# Altium PCB Main_PCB.PcbDoc (part 9 of 13) (continued)
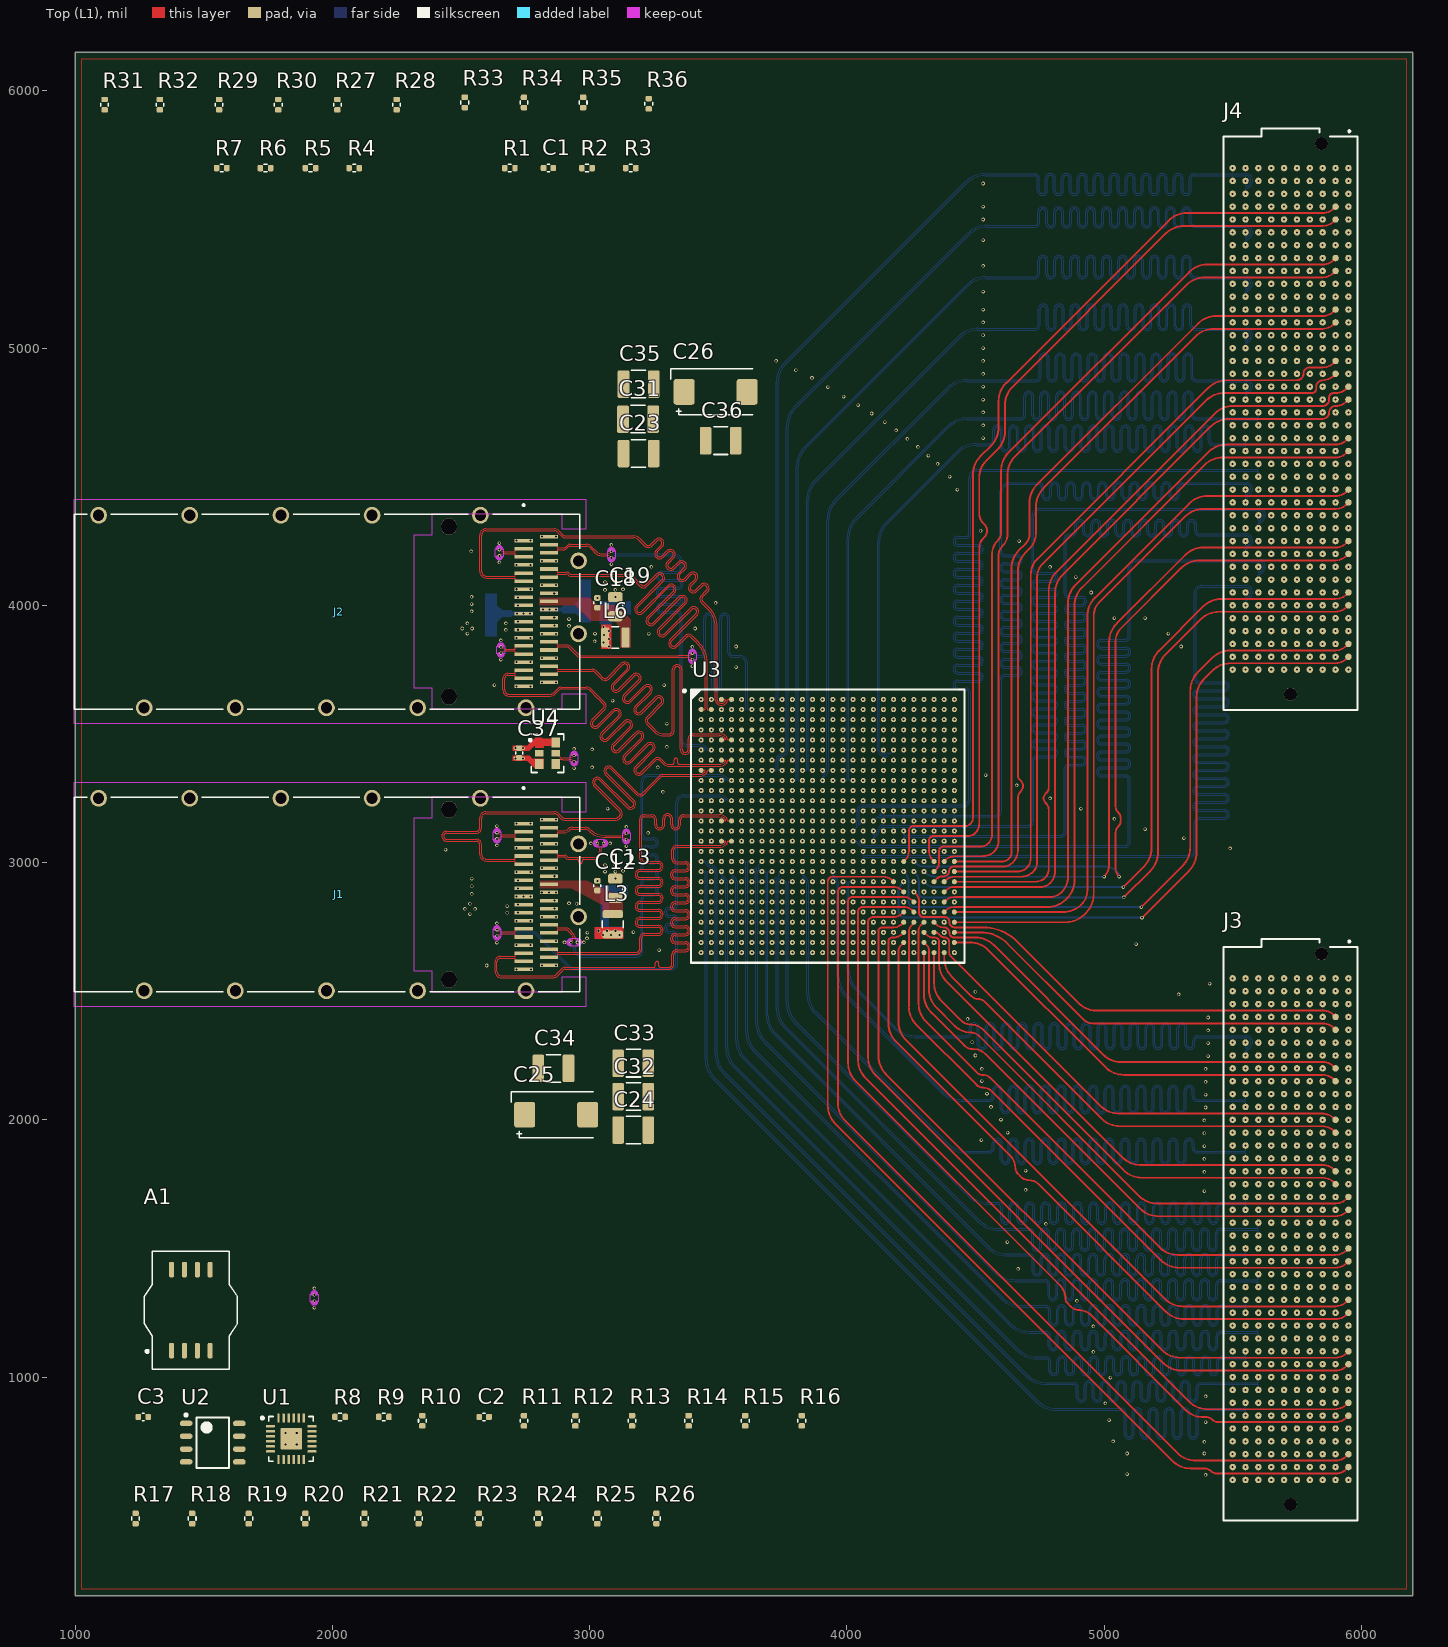
[diagram p0: Top (L1) view]
## Nets (pads, with @x,y where several pads share a name; then routed paths per layer and width w, separated by ;. In a path a pad name is that pad's centre, name@x,y a point inside that pad or via, vN(x,y) a via of type N, cw(c..) or ccw(c..) an arc to the next point about the centre after c; other vN are vias at no path point) (continued)
HPCC_B_32_P: J4.E30 U3.M21 | length 3860.8
  Int7 (L8) w3.5: v1(4221.26,3201.18) 4233.69,3201.18 ccw(c4233.69,3204.68) 4236.17,3202.21 ccw(c4233.69,3204.68) 4237.19,3204.68 cw(c4248.1,3204.72) 4240.39,3212.43 4240.43,3212.47 cw(c4269.46,3183.44) 4269.46,3224.5 4435,3224.5 cw(c4438.14,3221.36) 4438.14,3225.8 4829.86,3225.8 ccw(c4829.86,3240.14) 4840,3230 ccw(c4827.93,3242.07) 4845,3242.07 4845,3490 4845,3496.15 ccw(c4833.25,3496.15) 4833.25,3507.9 4787.32,3507.9 cw(c4787.32,3528.45) 4787.32,3549 4834.93,3549 ccw(c4834.93,3560.75) 4834.93,3572.5 4787.32,3572.5 cw(c4787.32,3593.05) 4787.32,3613.6 4834.93,3613.6 ccw(c4834.93,3625.35) 4834.93,3637.1 4787.32,3637.1 cw(c4787.32,3657.65) 4787.32,3678.2 4834.93,3678.2 ccw(c4834.93,3689.95) 4834.93,3701.7 4787.32,3701.7 cw(c4787.32,3722.25) 4787.32,3742.8 4834.93,3742.8 ccw(c4834.93,3754.55) 4834.93,3766.3 4787.32,3766.3 cw(c4787.32,3786.85) 4787.32,3807.4 4834.93,3807.4 ccw(c4834.93,3819.15) 4834.93,3830.9 4787.32,3830.9 cw(c4787.32,3851.45) 4787.32,3872 4834.93,3872 ccw(c4834.93,3883.75) 4834.93,3895.5 4787.32,3895.5 cw(c4787.32,3916.05) 4787.32,3936.6 4834.93,3936.6 ccw(c4834.93,3948.35) 4834.93,3960.1 4787.32,3960.1 cw(c4787.32,3980.65) 4787.32,4001.2 4834.93,4001.2 ccw(c4834.93,4012.95) 4834.93,4024.7 4787.32,4024.7 cw(c4787.32,4045.25) 4787.32,4065.8 4834.93,4065.8 ccw(c4834.93,4077.55) 4834.93,4089.3 4787.32,4089.3 cw(c4787.32,4109.85) 4787.32,4130.4 4833.25,4130.4 ccw(c4833.25,4142.15) 4845,4142.15 4845,4170 4845,4200.03 cw(c4874.97,4200.03) 4853.78,4221.22 cw(c4873.52,4201.48) 4873.52,4229.4 5746.5,4229.4 ccw(c5746.5,4232.9) 5748.97,4230.43 ccw(c5746.5,4232.9) 5750,4232.9 v1(5750,4250)
HPCC_B_33_N: J4.E35 U3.N24 | length 3875.5
  Int7 (L8) w3.5: v1(4339.37,3161.81) 4339.37,3149.38 ccw(c4342.87,3149.38) 4340.4,3146.9 ccw(c4342.87,3149.38) 4342.87,3145.88 5080.04,3145.88 ccw(c5080.04,3159.96) 5090,3150 ccw(c5077.93,3162.07) 5095,3162.07 5095,3226.1 5095,3232.25 ccw(c5083.25,3232.25) 5083.25,3244 5032.25,3244 cw(c5032.25,3264.55) 5032.25,3285.1 5085.28,3285.1 ccw(c5085.28,3296.85) 5085.28,3308.6 5032.25,3308.6 cw(c5032.25,3329.15) 5032.25,3349.7 5085.28,3349.7 ccw(c5085.28,3361.45) 5085.28,3373.2 5032.25,3373.2 cw(c5032.25,3393.75) 5032.25,3414.3 5085.28,3414.3 ccw(c5085.28,3426.05) 5085.28,3437.8 5032.25,3437.8 cw(c5032.25,3458.35) 5032.25,3478.9 5085.28,3478.9 ccw(c5085.28,3490.65) 5085.28,3502.4 5032.25,3502.4 cw(c5032.25,3522.95) 5032.25,3543.5 5085.28,3543.5 ccw(c5085.28,3555.25) 5085.28,3567 5032.25,3567 cw(c5032.25,3587.55) 5032.25,3608.1 5085.28,3608.1 ccw(c5085.28,3619.85) 5085.28,3631.6 5032.25,3631.6 cw(c5032.25,3652.15) 5032.25,3672.7 5085.28,3672.7 ccw(c5085.28,3684.45) 5085.28,3696.2 5032.25,3696.2 cw(c5032.25,3716.75) 5032.25,3737.3 5085.28,3737.3 ccw(c5085.28,3749.05) 5085.28,3760.8 5032.25,3760.8 cw(c5032.25,3781.35) 5032.25,3801.9 5085.28,3801.9 ccw(c5085.28,3813.65) 5085.28,3825.4 5032.25,3825.4 cw(c5032.25,3845.95) 5032.25,3866.5 5083.25,3866.5 ccw(c5083.25,3878.25) 5095,3878.25 5095,3922.55 5095,4050.03 cw(c5124.97,4050.03) 5103.78,4071.22 cw(c5122.07,4052.93) 5122.07,4078.8 5752.93,4078.8 cw(c5752.93,4052.93) 5771.22,4071.22 cw(c5752.93,4052.93) 5778.8,4052.93 5778.8,4050 cw(c5754.66,4050) 5771.73,4032.93 5763.56,4024.76 cw(c5753.5,4034.84) 5753.5,4020.6 ccw(c5753.5,4017.1) 5751.03,4019.57 ccw(c5753.5,4017.1) 5750,4017.1 v1(5750,4000)
HPCC_B_33_P: J4.E34 U3.P24 | length 3848.2
  Int7 (L8) w3.5: v1(4339.37,3122.44) 4339.37,3134.88 cw(c4342.87,3134.88) 4340.4,3137.35 cw(c4342.87,3134.88) 4342.87,3138.38 4435,3138.38 ccw(c4438.14,3141.51) 4438.14,3137.08 5080.04,3137.08 ccw(c5080.04,3159.96) 5096.22,3143.78 ccw(c5077.93,3162.07) 5103.8,3162.07 5103.8,3226.1 5103.8,3232.25 ccw(c5083.25,3232.25) 5083.25,3252.8 5032.25,3252.8 cw(c5032.25,3264.55) 5032.25,3276.3 5085.28,3276.3 ccw(c5085.28,3296.85) 5085.28,3317.4 5032.25,3317.4 cw(c5032.25,3329.15) 5032.25,3340.9 5085.28,3340.9 ccw(c5085.28,3361.45) 5085.28,3382 5032.25,3382 cw(c5032.25,3393.75) 5032.25,3405.5 5085.28,3405.5 ccw(c5085.28,3426.05) 5085.28,3446.6 5032.25,3446.6 cw(c5032.25,3458.35) 5032.25,3470.1 5085.28,3470.1 ccw(c5085.28,3490.65) 5085.28,3511.2 5032.25,3511.2 cw(c5032.25,3522.95) 5032.25,3534.7 5085.28,3534.7 ccw(c5085.28,3555.25) 5085.28,3575.8 5032.25,3575.8 cw(c5032.25,3587.55) 5032.25,3599.3 5085.28,3599.3 ccw(c5085.28,3619.85) 5085.28,3640.4 5032.25,3640.4 cw(c5032.25,3652.15) 5032.25,3663.9 5085.28,3663.9 ccw(c5085.28,3684.45) 5085.28,3705 5032.25,3705 cw(c5032.25,3716.75) 5032.25,3728.5 5085.28,3728.5 ccw(c5085.28,3749.05) 5085.28,3769.6 5032.25,3769.6 cw(c5032.25,3781.35) 5032.25,3793.1 5085.28,3793.1 ccw(c5085.28,3813.65) 5085.28,3834.2 5032.25,3834.2 cw(c5032.25,3845.95) 5032.25,3857.7 5083.25,3857.7 ccw(c5083.25,3878.25) 5103.8,3878.25 5103.8,3922.55 5103.8,4050.03 cw(c5124.97,4050.03) 5110,4065 cw(c5122.07,4052.93) 5122.07,4070 5752.93,4070 cw(c5752.93,4052.93) 5765,4065 cw(c5752.93,4052.93) 5770,4052.93 5770,4050 cw(c5754.66,4050) 5765.51,4039.15 5757.34,4030.99 cw(c5753.5,4034.84) 5753.5,4029.4 cw(c5753.5,4032.9) 5751.03,4030.43 cw(c5753.5,4032.9) 5750,4032.9 v1(5750,4050)
HPCC_B_34_N: J4.E39 U3.P26 | length 3993.3
  Int2 (L3) w3.5: v1(4418.11,3122.44) 4418.11,3110.01 ccw(c4421.61,3110.01) 4419.14,3107.53 ccw(c4421.61,3110.01) 4421.61,3106.51 5251.56,3106.51 ccw(c5251.56,3118.44) 5260,3110 5261.46,3111.46 ccw(c5252.93,3120) 5265,3120 5265,3293 5265,3299.15 ccw(c5253.25,3299.15) 5253.25,3310.9 5210.67,3310.9 cw(c5210.67,3331.45) 5210.67,3352 5320.5,3352 ccw(c5320.5,3363.75) 5320.5,3375.5 5210.67,3375.5 cw(c5210.67,3396.05) 5210.67,3416.6 5320.5,3416.6 ccw(c5320.5,3428.35) 5320.5,3440.1 5210.67,3440.1 cw(c5210.67,3460.65) 5210.67,3481.2 5320.5,3481.2 ccw(c5320.5,3492.95) 5320.5,3504.7 5210.67,3504.7 cw(c5210.67,3525.25) 5210.67,3545.8 5320.5,3545.8 ccw(c5320.5,3557.55) 5320.5,3569.3 5210.67,3569.3 cw(c5210.67,3589.85) 5210.67,3610.4 5320.5,3610.4 ccw(c5320.5,3622.15) 5320.5,3633.9 5210.67,3633.9 cw(c5210.67,3654.45) 5210.67,3675 5320.5,3675 ccw(c5320.5,3686.75) 5320.5,3698.5 5210.67,3698.5 cw(c5210.67,3719.05) 5210.67,3739.6 5320.5,3739.6 ccw(c5320.5,3751.35) 5320.5,3763.1 5285.55,3763.1 cw(c5285.55,3783.65) 5265,3783.65 5265,3828 5265,3850.03 cw(c5294.97,3850.03) 5273.78,3871.22 cw(c5292.07,3852.93) 5292.07,3878.8 5752.93,3878.8 cw(c5752.93,3852.93) 5771.22,3871.22 cw(c5752.93,3852.93) 5778.8,3852.93 5778.8,3850 cw(c5754.66,3850) 5771.73,3832.93 5763.56,3824.76 cw(c5753.5,3834.84) 5753.5,3820.6 ccw(c5753.5,3817.1) 5751.03,3819.57 ccw(c5753.5,3817.1) 5750,3817.1 v1(5750,3800)
HPCC_B_34_P: J4.E38 U3.R26 | length 3966
  Int2 (L3) w3.5: v1(4418.11,3083.07) 4418.11,3095.51 cw(c4421.61,3095.51) 4419.14,3097.98 cw(c4421.61,3095.51) 4421.61,3099.01 4435,3099.01 ccw(c4438.14,3102.14) 4438.14,3097.71 5251.56,3097.71 ccw(c5251.56,3118.44) 5266.22,3103.78 5267.69,3105.24 ccw(c5252.93,3120) 5273.8,3120 5273.8,3293 5273.8,3299.15 ccw(c5253.25,3299.15) 5253.25,3319.7 5210.67,3319.7 cw(c5210.67,3331.45) 5210.67,3343.2 5320.5,3343.2 ccw(c5320.5,3363.75) 5320.5,3384.3 5210.67,3384.3 cw(c5210.67,3396.05) 5210.67,3407.8 5320.5,3407.8 ccw(c5320.5,3428.35) 5320.5,3448.9 5210.67,3448.9 cw(c5210.67,3460.65) 5210.67,3472.4 5320.5,3472.4 ccw(c5320.5,3492.95) 5320.5,3513.5 5210.67,3513.5 cw(c5210.67,3525.25) 5210.67,3537 5320.5,3537 ccw(c5320.5,3557.55) 5320.5,3578.1 5210.67,3578.1 cw(c5210.67,3589.85) 5210.67,3601.6 5320.5,3601.6 ccw(c5320.5,3622.15) 5320.5,3642.7 5210.67,3642.7 cw(c5210.67,3654.45) 5210.67,3666.2 5320.5,3666.2 ccw(c5320.5,3686.75) 5320.5,3707.3 5210.67,3707.3 cw(c5210.67,3719.05) 5210.67,3730.8 5320.5,3730.8 ccw(c5320.5,3751.35) 5320.5,3771.9 5285.55,3771.9 cw(c5285.55,3783.65) 5273.8,3783.65 5273.8,3828 5273.8,3850.03 cw(c5294.97,3850.03) 5280,3865 cw(c5292.07,3852.93) 5292.07,3870 5752.93,3870 cw(c5752.93,3852.93) 5765,3865 cw(c5752.93,3852.93) 5770,3852.93 5770,3850 cw(c5754.66,3850) 5765.51,3839.15 5757.34,3830.99 cw(c5753.5,3834.84) 5753.5,3829.4 cw(c5753.5,3832.9) 5751.03,3830.43 cw(c5753.5,3832.9) 5750,3832.9 v1(5750,3850)
HPCC_B_35_N: J4.F5 U3.D11 | length 3834.4
  Int7 (L8) w3.5: 3811.95,3553.9 cw(c3801,3552.9) 3812,3552.95 3812,3524.37 ccw(c3844.72,3524.37) 3821.58,3501.23 ccw(c3824.06,3503.71) 3824.06,3500.21 ccw(c3824.06,3503.71) 3826.53,3501.23 ccw(c3824.06,3503.71) 3827.56,3503.71 v1(3827.56,3516.14) ; 3811.95,3553.94 cw(c3827.56,3555.51) 3811.87,3555.51 3811.87,3634.25 cw(c3827.56,3634.25) 3811.95,3635.82 ccw(c3801,3636.86) 3812,3636.81 3812,4835.58 cw(c3912,4835.58) 3841.29,4906.29 4426.31,5491.31 cw(c4497.02,5420.6) 4497.02,5520.6 4923.19,5520.6 4929.34,5520.6 ccw(c4929.34,5541.15) 4949.89,5541.15 4949.89,5549.65 cw(c4961.64,5549.65) 4973.39,5549.65 4973.39,5541.04 ccw(c4993.94,5541.04) 5014.49,5541.04 5014.49,5549.65 cw(c5026.24,5549.65) 5037.99,5549.65 5037.99,5541.04 ccw(c5058.54,5541.04) 5079.09,5541.04 5079.09,5549.65 cw(c5090.84,5549.65) 5102.59,5549.65 5102.59,5541.04 ccw(c5123.14,5541.04) 5143.69,5541.04 5143.69,5549.65 cw(c5155.44,5549.65) 5167.19,5549.65 5167.19,5541.04 ccw(c5187.74,5541.04) 5208.29,5541.04 5208.29,5549.65 cw(c5220.04,5549.65) 5231.79,5549.65 5231.79,5541.15 ccw(c5252.34,5541.15) 5252.34,5520.6 5335,5520.6 5696.5,5520.6 cw(c5696.5,5517.1) 5698.97,5519.57 cw(c5696.5,5517.1) 5700,5517.1 v1(5700,5500)
HPCC_B_35_P: J4.F4 U3.E11 | length 3860.4
  Int7 (L8) w3.5: 3804.5,3524.3 ccw(c3844.55,3524.3) 3816.23,3495.98 3816.33,3495.88 ccw(c3824,3503.55) 3824,3492.71 3824.06,3492.71 cw(c3824.06,3489.21) 3826.53,3491.68 cw(c3824.06,3489.21) 3827.56,3489.21 v1(3827.56,3476.77) ; 3804.5,3524.33 3804.5,3552.93 ccw(c3801,3552.9) 3804.49,3553.22 cw(c3827.56,3555.51) 3804.37,3555.51 3804.37,3634.25 cw(c3827.56,3634.25) 3804.49,3636.54 ccw(c3801,3636.86) 3804.5,3636.84 3804.5,3653.02 cw(c3807.64,3656.16) 3803.2,3656.16 3803.2,4835.58 cw(c3912,4835.58) 3835.07,4912.51 4420.09,5497.53 cw(c4497.02,5420.6) 4497.02,5529.4 4923.19,5529.4 4929.34,5529.4 ccw(c4929.34,5541.15) 4941.09,5541.15 4941.09,5549.65 cw(c4961.64,5549.65) 4982.19,5549.65 4982.19,5541.04 ccw(c4993.94,5541.04) 5005.69,5541.04 5005.69,5549.65 cw(c5026.24,5549.65) 5046.79,5549.65 5046.79,5541.04 ccw(c5058.54,5541.04) 5070.29,5541.04 5070.29,5549.65 cw(c5090.84,5549.65) 5111.39,5549.65 5111.39,5541.04 ccw(c5123.14,5541.04) 5134.89,5541.04 5134.89,5549.65 cw(c5155.44,5549.65) 5175.99,5549.65 5175.99,5541.04 ccw(c5187.74,5541.04) 5199.49,5541.04 5199.49,5549.65 cw(c5220.04,5549.65) 5240.59,5549.65 5240.59,5541.15 ccw(c5252.34,5541.15) 5252.34,5529.4 5335,5529.4 5696.5,5529.4 ccw(c5696.5,5532.9) 5698.97,5530.43 ccw(c5696.5,5532.9) 5700,5532.9 v1(5700,5550)
HPCC_B_36_N: J4.F9 U3.E12 | length 3879.1
  Int7 (L8) w3.5: v1(3866.93,3476.77) 3879.36,3476.77 ccw(c3879.36,3480.27) 3881.84,3477.8 ccw(c3879.36,3480.27) 3882.86,3480.27 3882.86,4715.24 cw(c3991.66,4715.24) 3914.73,4792.18 4469.49,5346.93 cw(c4546.42,5270) 4546.42,5378.8 4860.1,5378.8 4898.55,5378.8 cw(c4898.55,5358.25) 4919.1,5358.25 4919.1,5346.95 ccw(c4930.85,5346.95) 4942.6,5346.95 4942.6,5363.2 cw(c4963.15,5363.2) 4983.7,5363.2 4983.7,5346.95 ccw(c4995.45,5346.95) 5007.2,5346.95 5007.2,5363.2 cw(c5027.75,5363.2) 5048.3,5363.2 5048.3,5346.95 ccw(c5060.05,5346.95) 5071.8,5346.95 5071.8,5363.2 cw(c5092.35,5363.2) 5112.9,5363.2 5112.9,5346.95 ccw(c5124.65,5346.95) 5136.4,5346.95 5136.4,5363.2 cw(c5156.95,5363.2) 5177.5,5363.2 5177.5,5346.95 ccw(c5189.25,5346.95) 5201,5346.95 5201,5363.2 cw(c5221.55,5363.2) 5242.1,5363.2 5242.1,5346.95 ccw(c5253.85,5346.95) 5265.6,5346.95 5265.6,5358.25 cw(c5286.15,5358.25) 5286.15,5378.8 5311.59,5378.8 5702.93,5378.8 cw(c5702.93,5352.93) 5721.22,5371.22 cw(c5702.93,5352.93) 5728.8,5352.93 5728.8,5350 cw(c5704.66,5350) 5721.73,5332.93 5713.56,5324.76 cw(c5703.5,5334.84) 5703.5,5320.6 ccw(c5703.5,5317.1) 5701.03,5319.57 ccw(c5703.5,5317.1) 5700,5317.1 v1(5700,5300)
HPCC_B_36_P: J4.F8 U3.E13 | length 3838
  Int7 (L8) w3.5: v1(3906.3,3476.77) 3893.86,3476.77 cw(c3893.86,3480.27) 3891.39,3477.8 cw(c3893.86,3480.27) 3890.36,3480.27 3890.36,3655 ccw(c3887.23,3658.14) 3891.66,3658.14 3891.66,4715.24 cw(c3991.66,4715.24) 3920.95,4785.95 4475.71,5340.71 cw(c4546.42,5270) 4546.42,5370 4860.1,5370 4898.55,5370 cw(c4898.55,5358.25) 4910.3,5358.25 4910.3,5346.95 ccw(c4930.85,5346.95) 4951.4,5346.95 4951.4,5363.2 cw(c4963.15,5363.2) 4974.9,5363.2 4974.9,5346.95 ccw(c4995.45,5346.95) 5016,5346.95 5016,5363.2 cw(c5027.75,5363.2) 5039.5,5363.2 5039.5,5346.95 ccw(c5060.05,5346.95) 5080.6,5346.95 5080.6,5363.2 cw(c5092.35,5363.2) 5104.1,5363.2 5104.1,5346.95 ccw(c5124.65,5346.95) 5145.2,5346.95 5145.2,5363.2 cw(c5156.95,5363.2) 5168.7,5363.2 5168.7,5346.95 ccw(c5189.25,5346.95) 5209.8,5346.95 5209.8,5363.2 cw(c5221.55,5363.2) 5233.3,5363.2 5233.3,5346.95 ccw(c5253.85,5346.95) 5274.4,5346.95 5274.4,5358.25 cw(c5286.15,5358.25) 5286.15,5370 5311.59,5370 5702.93,5370 cw(c5702.93,5352.93) 5715,5365 cw(c5702.93,5352.93) 5720,5352.93 5720,5350 cw(c5704.66,5350) 5715.51,5339.15 5707.34,5330.99 cw(c5703.5,5334.84) 5703.5,5329.4 cw(c5703.5,5332.9) 5701.03,5330.43 cw(c5703.5,5332.9) 5700,5332.9 v1(5700,5350)
HPCC_B_37_N: J4.F13 U3.E16 | length 3845.5
  Int7 (L8) w3.5: v1(4024.41,3476.77) 4011.97,3476.77 cw(c4012.02,3480.27) 4008.54,3479.91 4008.37,3481.47 ccw(c3997.43,3480.33) 4006.47,3486.6 4004.01,3490.1 ccw(c3985.04,3476.77) 3988.78,3499.65 3982.56,3500.65 cw(c3985.04,3516.14) 3969.35,3516.14 3969.35,4612.93 cw(c4069.35,4612.93) 3998.64,4683.64 4406.31,5091.31 cw(c4477.02,5020.6) 4477.02,5120.6 4796,5120.6 4802.15,5120.6 ccw(c4802.15,5141.15) 4822.7,5141.15 4822.7,5171.59 cw(c4834.45,5171.59) 4846.2,5171.59 4846.2,5140.07 ccw(c4866.75,5140.07) 4887.3,5140.07 4887.3,5171.59 cw(c4899.05,5171.59) 4910.8,5171.59 4910.8,5140.07 ccw(c4931.35,5140.07) 4951.9,5140.07 4951.9,5171.59 cw(c4963.65,5171.59) 4975.4,5171.59 4975.4,5140.07 ccw(c4995.95,5140.07) 5016.5,5140.07 5016.5,5171.59 cw(c5028.25,5171.59) 5040,5171.59 5040,5140.07 ccw(c5060.55,5140.07) 5081.1,5140.07 5081.1,5171.59 cw(c5092.85,5171.59) 5104.6,5171.59 5104.6,5140.07 ccw(c5125.15,5140.07) 5145.7,5140.07 5145.7,5171.59 cw(c5157.45,5171.59) 5169.2,5171.59 5169.2,5140.07 ccw(c5189.75,5140.07) 5210.3,5140.07 5210.3,5171.59 cw(c5222.05,5171.59) 5233.8,5171.59 5233.8,5141.15 ccw(c5254.35,5141.15) 5254.35,5120.6 5329,5120.6 5696.5,5120.6 cw(c5696.5,5117.1) 5698.97,5119.57 cw(c5696.5,5117.1) 5700,5117.1 v1(5700,5100)
HPCC_B_37_P: J4.F12 U3.E15 | length 3859.6
  Int7 (L8) w3.5: v1(3985.04,3476.77) 3997.45,3476.83 ccw(c3997.43,3480.33) 4000.34,3482.28 ; 4000.32,3482.31 3997.88,3485.79 ccw(c3985.04,3476.77) 3987.55,3492.26 3981.37,3493.25 cw(c3985.04,3516.14) 3961.85,3516.14 3961.85,3655 cw(c3964.99,3658.14) 3960.55,3658.14 3960.55,4612.93 cw(c4069.35,4612.93) 3992.42,4689.86 4400.09,5097.53 cw(c4477.02,5020.6) 4477.02,5129.4 4796,5129.4 4802.15,5129.4 ccw(c4802.15,5141.15) 4813.9,5141.15 4813.9,5171.59 cw(c4834.45,5171.59) 4855,5171.59 4855,5140.07 ccw(c4866.75,5140.07) 4878.5,5140.07 4878.5,5171.59 cw(c4899.05,5171.59) 4919.6,5171.59 4919.6,5140.07 ccw(c4931.35,5140.07) 4943.1,5140.07 4943.1,5171.59 cw(c4963.65,5171.59) 4984.2,5171.59 4984.2,5140.07 ccw(c4995.95,5140.07) 5007.7,5140.07 5007.7,5171.59 cw(c5028.25,5171.59) 5048.8,5171.59 5048.8,5140.07 ccw(c5060.55,5140.07) 5072.3,5140.07 5072.3,5171.59 cw(c5092.85,5171.59) 5113.4,5171.59 5113.4,5140.07 ccw(c5125.15,5140.07) 5136.9,5140.07 5136.9,5171.59 cw(c5157.45,5171.59) 5178,5171.59 5178,5140.07 ccw(c5189.75,5140.07) 5201.5,5140.07 5201.5,5171.59 cw(c5222.05,5171.59) 5242.6,5171.59 5242.6,5141.15 ccw(c5254.35,5141.15) 5254.35,5129.4 5329,5129.4 5696.5,5129.4 ccw(c5696.5,5132.9) 5698.97,5130.43 ccw(c5696.5,5132.9) 5700,5132.9 v1(5700,5150)
HPCC_B_38_N: J4.F17 U3.E17 | length 3831.1
  Int7 (L8) w3.5: v1(4063.78,3476.77) 4063.78,3464.34 cw(c4060.28,3464.34) 4058.27,3461.47 4054.75,3463.95 cw(c4063.78,3476.77) 4048.29,3479.26 4048.44,3480.21 ccw(c4037.59,3482) 4048.59,3482.18 4048.09,3515.89 cw(c4063.78,3516.14) 4048.09,3516.1 4047.6,3634.09 4047.6,3655 4047.6,4526.17 cw(c4147.6,4526.17) 4076.89,4596.89 4371.31,4891.31 cw(c4442.02,4820.6) 4442.02,4920.6 4732,4920.6 4738.15,4920.6 ccw(c4738.15,4941.15) 4758.7,4941.15 4758.7,4977.68 cw(c4770.45,4977.68) 4782.2,4977.68 4782.2,4940.27 ccw(c4802.75,4940.27) 4823.3,4940.27 4823.3,4977.68 cw(c4835.05,4977.68) 4846.8,4977.68 4846.8,4940.27 ccw(c4867.35,4940.27) 4887.9,4940.27 4887.9,4977.68 cw(c4899.65,4977.68) 4911.4,4977.68 4911.4,4940.27 ccw(c4931.95,4940.27) 4952.5,4940.27 4952.5,4977.68 cw(c4964.25,4977.68) 4976,4977.68 4976,4940.27 ccw(c4996.55,4940.27) 5017.1,4940.27 5017.1,4977.68 cw(c5028.85,4977.68) 5040.6,4977.68 5040.6,4940.27 ccw(c5061.15,4940.27) 5081.7,4940.27 5081.7,4977.68 cw(c5093.45,4977.68) 5105.2,4977.68 5105.2,4940.27 ccw(c5125.75,4940.27) 5146.3,4940.27 5146.3,4977.68 cw(c5158.05,4977.68) 5169.8,4977.68 5169.8,4940.27 ccw(c5190.35,4940.27) 5210.9,4940.27 5210.9,4977.68 cw(c5222.65,4977.68) 5234.4,4977.68 5234.4,4941.15 ccw(c5254.95,4941.15) 5254.95,4920.6 5292,4920.6 5696.5,4920.6 cw(c5696.5,4917.1) 5698.97,4919.57 cw(c5696.5,4917.1) 5700,4917.1 v1(5700,4900)
HPCC_B_38_P: J4.F16 U3.F17 | length 3857.1
  Int7 (L8) w3.5: v1(4063.78,3437.4) 4063.78,3449.84 ccw(c4060.28,3449.84) 4060.28,3453.34 cw(c4060.28,3464.34) 4053.96,3455.34 4050.43,3457.81 cw(c4063.78,3476.77) 4040.89,3480.45 4041.04,3481.41 ccw(c4037.59,3482) 4041.09,3482.05 4040.6,3515.78 cw(c4063.78,3516.14) 4040.59,3516.08 4040.1,3634.05 4040.1,3655 cw(c4043.23,3658.14) 4038.8,3658.14 4038.8,4526.17 cw(c4147.6,4526.17) 4070.66,4603.11 4365.09,4897.53 cw(c4442.02,4820.6) 4442.02,4929.4 4732,4929.4 4738.15,4929.4 ccw(c4738.15,4941.15) 4749.9,4941.15 4749.9,4977.68 cw(c4770.45,4977.68) 4791,4977.68 4791,4940.27 ccw(c4802.75,4940.27) 4814.5,4940.27 4814.5,4977.68 cw(c4835.05,4977.68) 4855.6,4977.68 4855.6,4940.27 ccw(c4867.35,4940.27) 4879.1,4940.27 4879.1,4977.68 cw(c4899.65,4977.68) 4920.2,4977.68 4920.2,4940.27 ccw(c4931.95,4940.27) 4943.7,4940.27 4943.7,4977.68 cw(c4964.25,4977.68) 4984.8,4977.68 4984.8,4940.27 ccw(c4996.55,4940.27) 5008.3,4940.27 5008.3,4977.68 cw(c5028.85,4977.68) 5049.4,4977.68 5049.4,4940.27 ccw(c5061.15,4940.27) 5072.9,4940.27 5072.9,4977.68 cw(c5093.45,4977.68) 5114,4977.68 5114,4940.27 ccw(c5125.75,4940.27) 5137.5,4940.27 5137.5,4977.68 cw(c5158.05,4977.68) 5178.6,4977.68 5178.6,4940.27 ccw(c5190.35,4940.27) 5202.1,4940.27 5202.1,4977.68 cw(c5222.65,4977.68) 5243.2,4977.68 5243.2,4941.15 ccw(c5254.95,4941.15) 5254.95,4929.4 5292,4929.4 5696.5,4929.4 ccw(c5696.5,4932.9) 5698.97,4930.43 ccw(c5696.5,4932.9) 5700,4932.9 v1(5700,4950)
HPCC_B_39_N: J4.F21 U3.F18 | length 3791.1
  Int9 (L10) w3.5: v1(4103.15,3437.4) 4088.59,3422.84 cw(c4086.12,3425.32) 4086.12,3421.82 cw(c4087.44,3425.06) 4084.34,3426.68 ccw(c4063.78,3437.4) 4086.93,3438.68 4087,3438.75 4087,4415.58 cw(c4187,4415.58) 4116.29,4486.29 4321.31,4691.31 cw(c4392.02,4620.6) 4392.02,4720.6 4665,4720.6 4671.15,4720.6 ccw(c4671.15,4741.15) 4691.7,4741.15 4691.7,4772.31 cw(c4703.45,4772.31) 4715.2,4772.31 4715.2,4740.79 ccw(c4735.75,4740.79) 4756.3,4740.79 4756.3,4772.31 cw(c4768.05,4772.31) 4779.8,4772.31 4779.8,4740.79 ccw(c4800.35,4740.79) 4820.9,4740.79 4820.9,4772.31 cw(c4832.65,4772.31) 4844.4,4772.31 4844.4,4740.79 ccw(c4864.95,4740.79) 4885.5,4740.79 4885.5,4772.31 cw(c4897.25,4772.31) 4909,4772.31 4909,4740.79 ccw(c4929.55,4740.79) 4950.1,4740.79 4950.1,4772.31 cw(c4961.85,4772.31) 4973.6,4772.31 4973.6,4740.79 ccw(c4994.15,4740.79) 5014.7,4740.79 5014.7,4772.31 cw(c5026.45,4772.31) 5038.2,4772.31 5038.2,4740.79 ccw(c5058.75,4740.79) 5079.3,4740.79 5079.3,4772.31 cw(c5091.05,4772.31) 5102.8,4772.31 5102.8,4740.79 ccw(c5123.35,4740.79) 5143.9,4740.79 5143.9,4772.31 cw(c5155.65,4772.31) 5167.4,4772.31 5167.4,4740.79 ccw(c5187.95,4740.79) 5208.5,4740.79 5208.5,4772.31 cw(c5220.25,4772.31) 5232,4772.31 5232,4740.79 ccw(c5252.55,4740.79) 5273.1,4740.79 5273.1,4772.31 cw(c5284.85,4772.31) 5296.6,4772.31 5296.6,4741.15 ccw(c5317.15,4741.15) 5317.15,4720.6 5350,4720.6 5696.5,4720.6 cw(c5696.5,4717.1) 5698.97,4719.57 cw(c5696.5,4717.1) 5700,4717.1 v1(5700,4700)
HPCC_B_39_P: J4.F20 U3.G17 | length 3812.8
  Int9 (L10) w3.5: v1(4063.78,3398.03) 4078.34,3412.59 ccw(c4075.86,3415.06) 4079.36,3415.06 ccw(c4075.86,3415.06) 4078.34,3417.54 ; 4078.31,3417.57 cw(c4086,3425.27) 4075.12,3425.27 cw(c4078.62,3425.24) 4075.92,3427.46 ccw(c4063.78,3437.4) 4079.45,3438.17 4079.44,3438.37 cw(c4082.93,3438.57) 4079.43,3438.57 4079.43,3441.79 4079.5,3441.86 4079.5,3655 cw(c4082.64,3658.14) 4078.2,3658.14 4078.2,4415.58 cw(c4187,4415.58) 4110.07,4492.51 4315.09,4697.53 cw(c4392.02,4620.6) 4392.02,4729.4 4665,4729.4 4671.15,4729.4 ccw(c4671.15,4741.15) 4682.9,4741.15 4682.9,4772.31 cw(c4703.45,4772.31) 4724,4772.31 4724,4740.79 ccw(c4735.75,4740.79) 4747.5,4740.79 4747.5,4772.31 cw(c4768.05,4772.31) 4788.6,4772.31 4788.6,4740.79 ccw(c4800.35,4740.79) 4812.1,4740.79 4812.1,4772.31 cw(c4832.65,4772.31) 4853.2,4772.31 4853.2,4740.79 ccw(c4864.95,4740.79) 4876.7,4740.79 4876.7,4772.31 cw(c4897.25,4772.31) 4917.8,4772.31 4917.8,4740.79 ccw(c4929.55,4740.79) 4941.3,4740.79 4941.3,4772.31 cw(c4961.85,4772.31) 4982.4,4772.31 4982.4,4740.79 ccw(c4994.15,4740.79) 5005.9,4740.79 5005.9,4772.31 cw(c5026.45,4772.31) 5047,4772.31 5047,4740.79 ccw(c5058.75,4740.79) 5070.5,4740.79 5070.5,4772.31 cw(c5091.05,4772.31) 5111.6,4772.31 5111.6,4740.79 ccw(c5123.35,4740.79) 5135.1,4740.79 5135.1,4772.31 cw(c5155.65,4772.31) 5176.2,4772.31 5176.2,4740.79 ccw(c5187.95,4740.79) 5199.7,4740.79 5199.7,4772.31 cw(c5220.25,4772.31) 5240.8,4772.31 5240.8,4740.79 ccw(c5252.55,4740.79) 5264.3,4740.79 5264.3,4772.31 cw(c5284.85,4772.31) 5305.4,4772.31 5305.4,4741.15 ccw(c5317.15,4741.15) 5317.15,4729.4 5350,4729.4 5696.5,4729.4 ccw(c5696.5,4732.9) 5698.97,4730.43 ccw(c5696.5,4732.9) 5700,4732.9 v1(5700,4750)
HPCC_B_40_N: J4.F25 U3.K17 | length 3787
  Int9 (L10) w3.5: v1(4063.78,3279.92) 4051.34,3279.92 cw(c4051.34,3283.42) 4048.48,3285.43 4050.94,3288.94 cw(c4063.78,3279.92) 4063.78,3295.61 4576.5,3295.61 ccw(c4576.5,3323.5) 4596.22,3303.78 ccw(c4577.93,3322.07) 4603.8,3322.07 4603.8,4500.03 cw(c4624.97,4500.03) 4610,4515 cw(c4623.52,4501.48) 4623.52,4520.6 4632,4520.6 4638.15,4520.6 ccw(c4638.15,4541.15) 4658.7,4541.15 4658.7,4610.85 cw(c4670.45,4610.85) 4682.2,4610.85 4682.2,4540.39 ccw(c4702.75,4540.39) 4723.3,4540.39 4723.3,4610.85 cw(c4735.05,4610.85) 4746.8,4610.85 4746.8,4540.39 ccw(c4767.35,4540.39) 4787.9,4540.39 4787.9,4610.85 cw(c4799.65,4610.85) 4811.4,4610.85 4811.4,4540.39 ccw(c4831.95,4540.39) 4852.5,4540.39 4852.5,4610.85 cw(c4864.25,4610.85) 4876,4610.85 4876,4540.39 ccw(c4896.55,4540.39) 4917.1,4540.39 4917.1,4610.85 cw(c4928.85,4610.85) 4940.6,4610.85 4940.6,4541.15 ccw(c4961.15,4541.15) 4961.15,4520.6 4984,4520.6 5696.5,4520.6 cw(c5696.5,4517.1) 5698.97,4519.57 cw(c5696.5,4517.1) 5700,4517.1 v1(5700,4500)
HPCC_B_40_P: J4.F24 U3.K16 | length 3799.1
  Int9 (L10) w3.5: v1(4024.41,3279.92) 4036.84,3279.92 ccw(c4036.84,3283.42) 4040.34,3283.42 cw(c4051.34,3283.42) 4042.34,3289.74 4044.81,3293.25 cw(c4063.78,3279.92) 4063.78,3303.11 4435,3303.11 cw(c4438.14,3299.97) 4438.14,3304.41 4576.5,3304.41 ccw(c4576.5,3323.5) 4590,3310 ccw(c4577.93,3322.07) 4595,3322.07 4595,4500.03 cw(c4624.97,4500.03) 4603.78,4521.22 cw(c4623.52,4501.48) 4623.52,4529.4 4632,4529.4 4638.15,4529.4 ccw(c4638.15,4541.15) 4649.9,4541.15 4649.9,4610.85 cw(c4670.45,4610.85) 4691,4610.85 4691,4540.39 ccw(c4702.75,4540.39) 4714.5,4540.39 4714.5,4610.85 cw(c4735.05,4610.85) 4755.6,4610.85 4755.6,4540.39 ccw(c4767.35,4540.39) 4779.1,4540.39 4779.1,4610.85 cw(c4799.65,4610.85) 4820.2,4610.85 4820.2,4540.39 ccw(c4831.95,4540.39) 4843.7,4540.39 4843.7,4610.85 cw(c4864.25,4610.85) 4884.8,4610.85 4884.8,4540.39 ccw(c4896.55,4540.39) 4908.3,4540.39 4908.3,4610.85 cw(c4928.85,4610.85) 4949.4,4610.85 4949.4,4541.15 ccw(c4961.15,4541.15) 4961.15,4529.4 4984,4529.4 5696.5,4529.4 ccw(c5696.5,4532.9) 5698.97,4530.43 ccw(c5696.5,4532.9) 5700,4532.9 v1(5700,4550)
HPCC_B_41_N: J4.F29 U3.L18 | length 3810.5
  Int9 (L10) w3.5: 4091.52,3221.25 cw(c4089.84,3224.32) 4088.8,3220.98 4088.59,3221.04 cw(c4091.07,3223.52) 4087.57,3223.52 cw(c4091.07,3223.52) 4088.59,3225.99 v1(4103.15,3240.55) ; 4091.53,3221.25 4091.94,3221.48 cw(c4103.15,3201.18) 4103.15,3224.37 4826.4,3224.37 ccw(c4826.4,3243.6) 4840,3230 ccw(c4827.93,3242.07) 4845,3242.07 4845,3685 4845,3691.15 ccw(c4833.25,3691.15) 4833.25,3702.9 4786.57,3702.9 cw(c4786.57,3723.45) 4786.57,3744 4834.52,3744 ccw(c4834.52,3755.75) 4834.52,3767.5 4786.57,3767.5 cw(c4786.57,3788.05) 4786.57,3808.6 4834.52,3808.6 ccw(c4834.52,3820.35) 4834.52,3832.1 4786.57,3832.1 cw(c4786.57,3852.65) 4786.57,3873.2 4834.52,3873.2 ccw(c4834.52,3884.95) 4834.52,3896.7 4786.57,3896.7 cw(c4786.57,3917.25) 4786.57,3937.8 4834.52,3937.8 ccw(c4834.52,3949.55) 4834.52,3961.3 4786.57,3961.3 cw(c4786.57,3981.85) 4786.57,4002.4 4834.52,4002.4 ccw(c4834.52,4014.15) 4834.52,4025.9 4786.57,4025.9 cw(c4786.57,4046.45) 4786.57,4067 4834.52,4067 ccw(c4834.52,4078.75) 4834.52,4090.5 4786.57,4090.5 cw(c4786.57,4111.05) 4786.57,4131.6 4833.25,4131.6 ccw(c4833.25,4143.35) 4845,4143.35 4845,4169 4845,4350.03 cw(c4874.97,4350.03) 4853.78,4371.22 cw(c4872.07,4352.93) 4872.07,4378.8 5702.93,4378.8 cw(c5702.93,4352.93) 5721.22,4371.22 cw(c5702.93,4352.93) 5728.8,4352.93 5728.8,4350 cw(c5704.66,4350) 5721.73,4332.93 5713.56,4324.76 cw(c5703.5,4334.84) 5703.5,4320.6 ccw(c5703.5,4317.1) 5701.03,4319.57 ccw(c5703.5,4317.1) 5700,4317.1 v1(5700,4300)